# Altium PCB uz_per_voltage_measurement.PcbDoc (part 1 of 2)
Units mm, origin at the board's own origin, x right, y up, seen from the top; angles counter-clockwise.
Board outline 160 x 100 mm, 4 copper layers (Top Layer, GND, VCC+, 2V5_OCM), stack 1.744 mm thick; 257 components, 128 nets, 629 pads, 223 vias.
Unrouted connection lines stored in the file: 1.
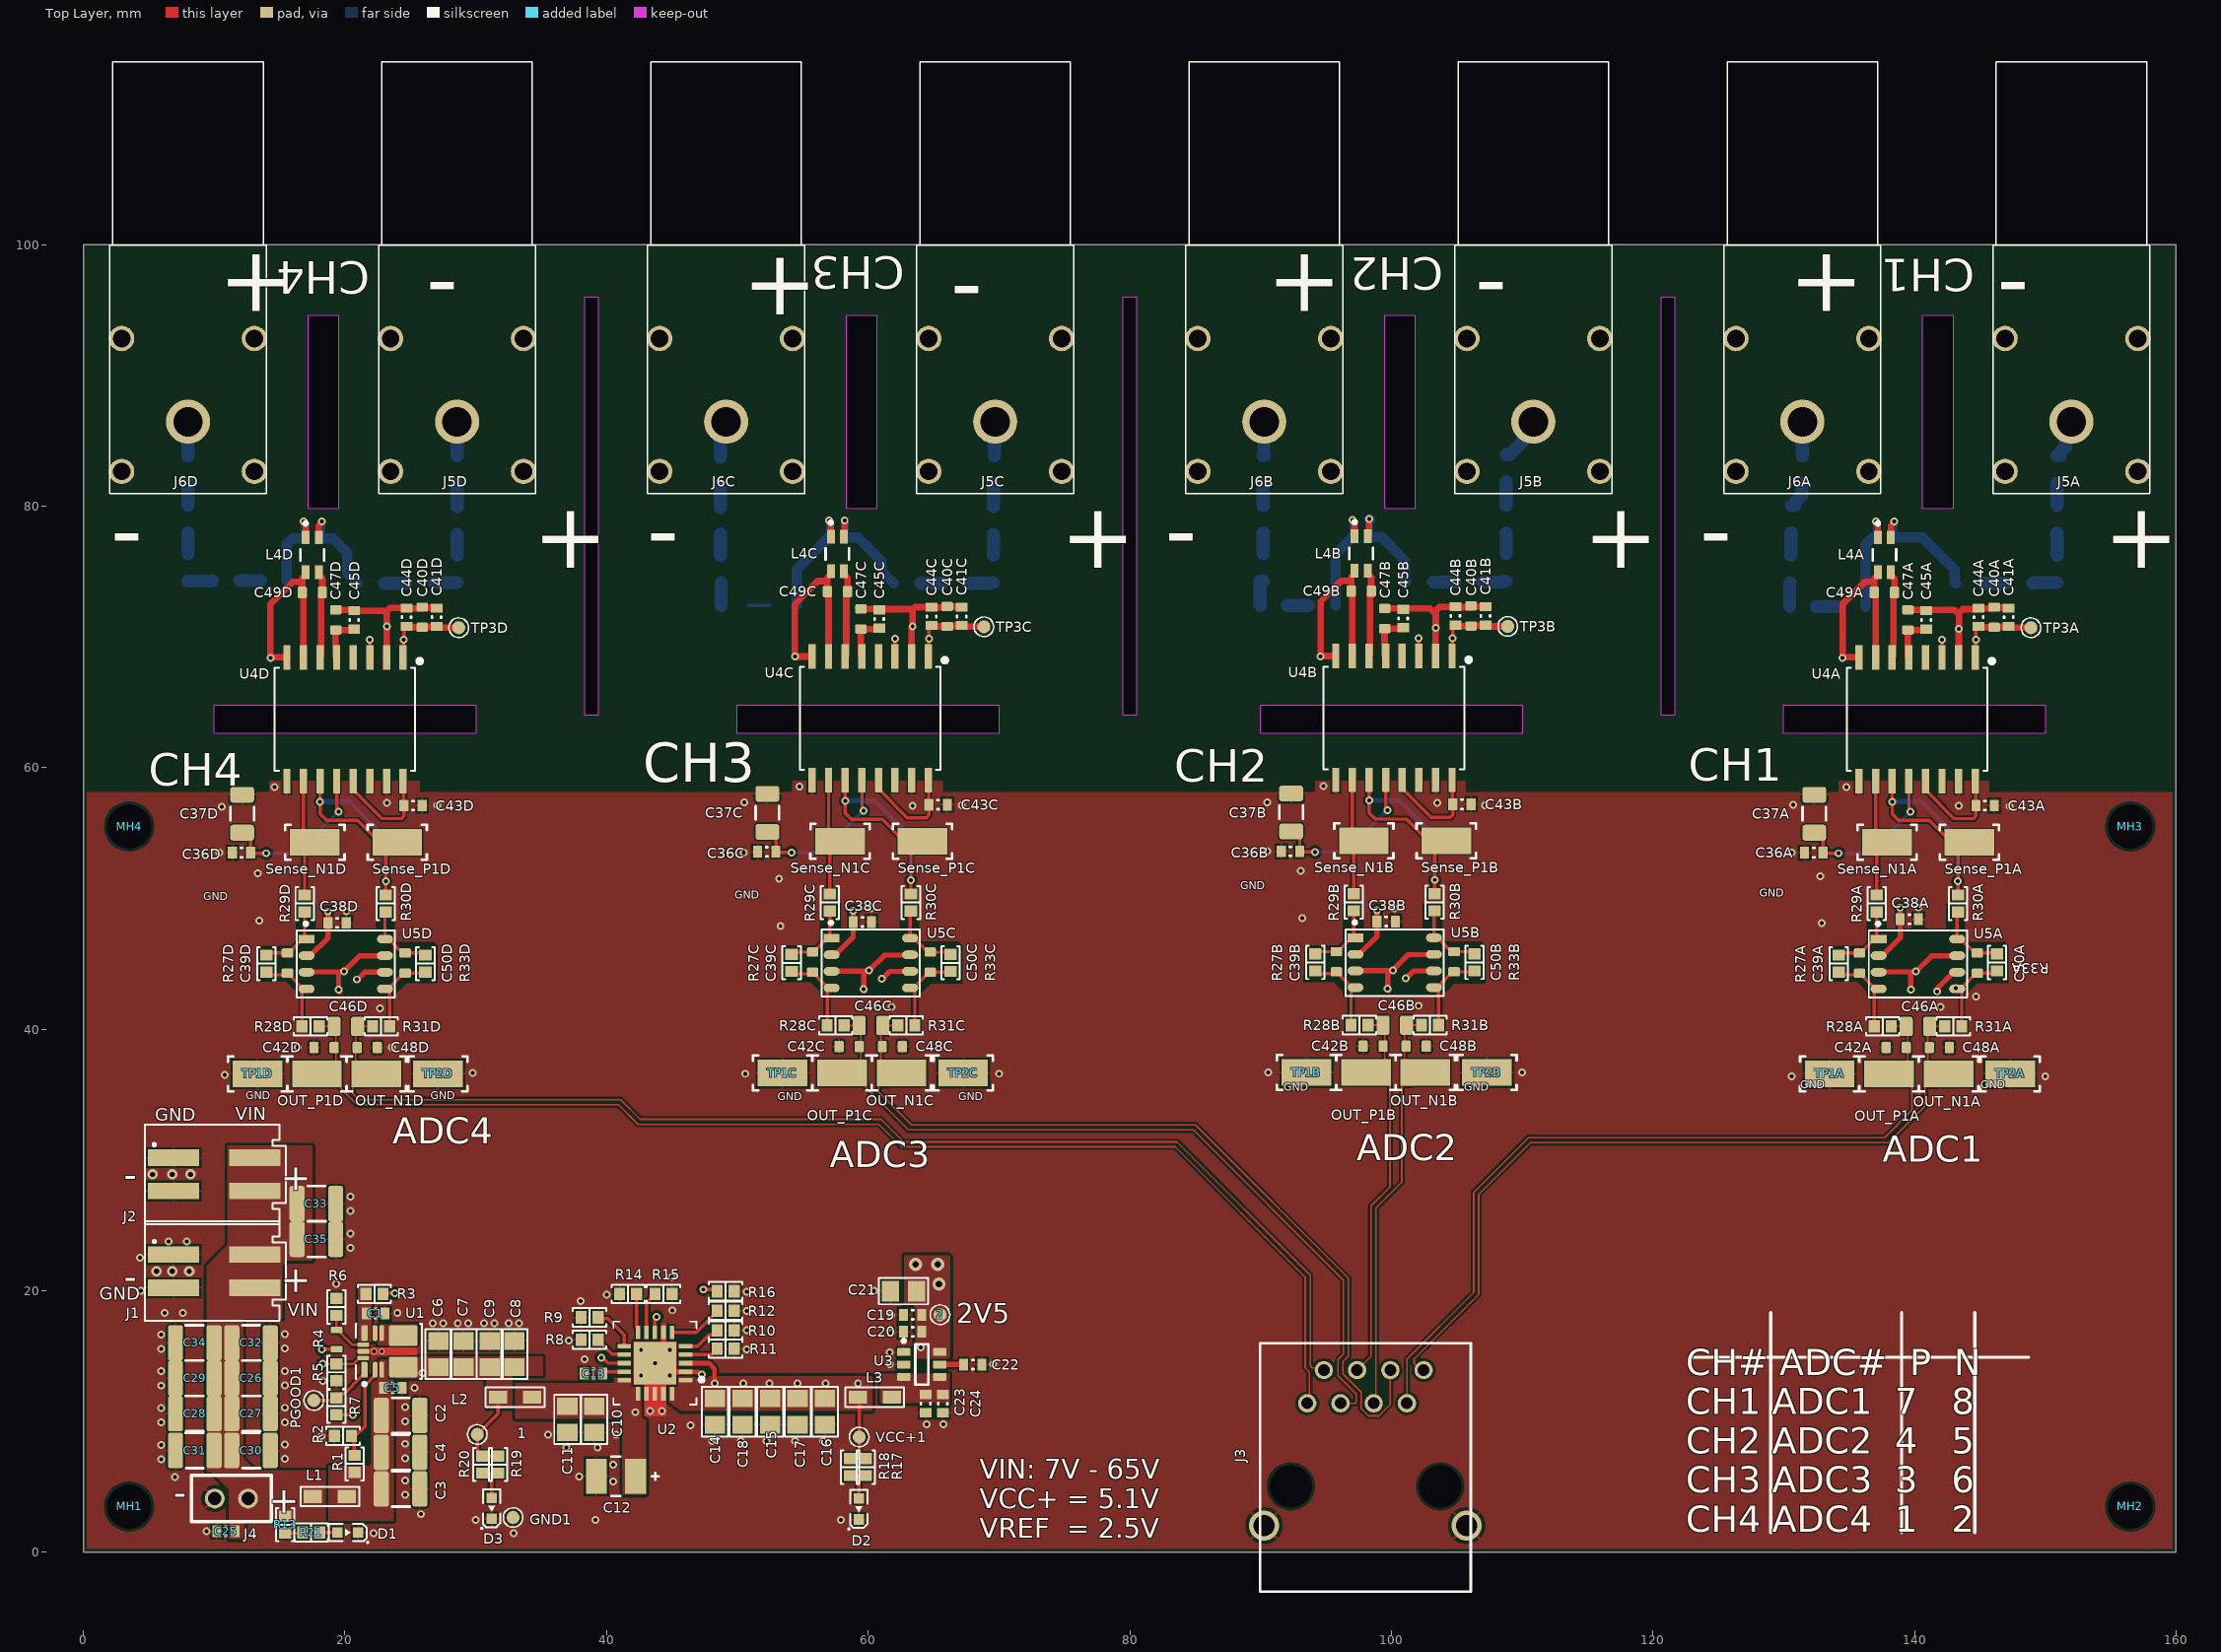
[diagram p0: Top Layer view]
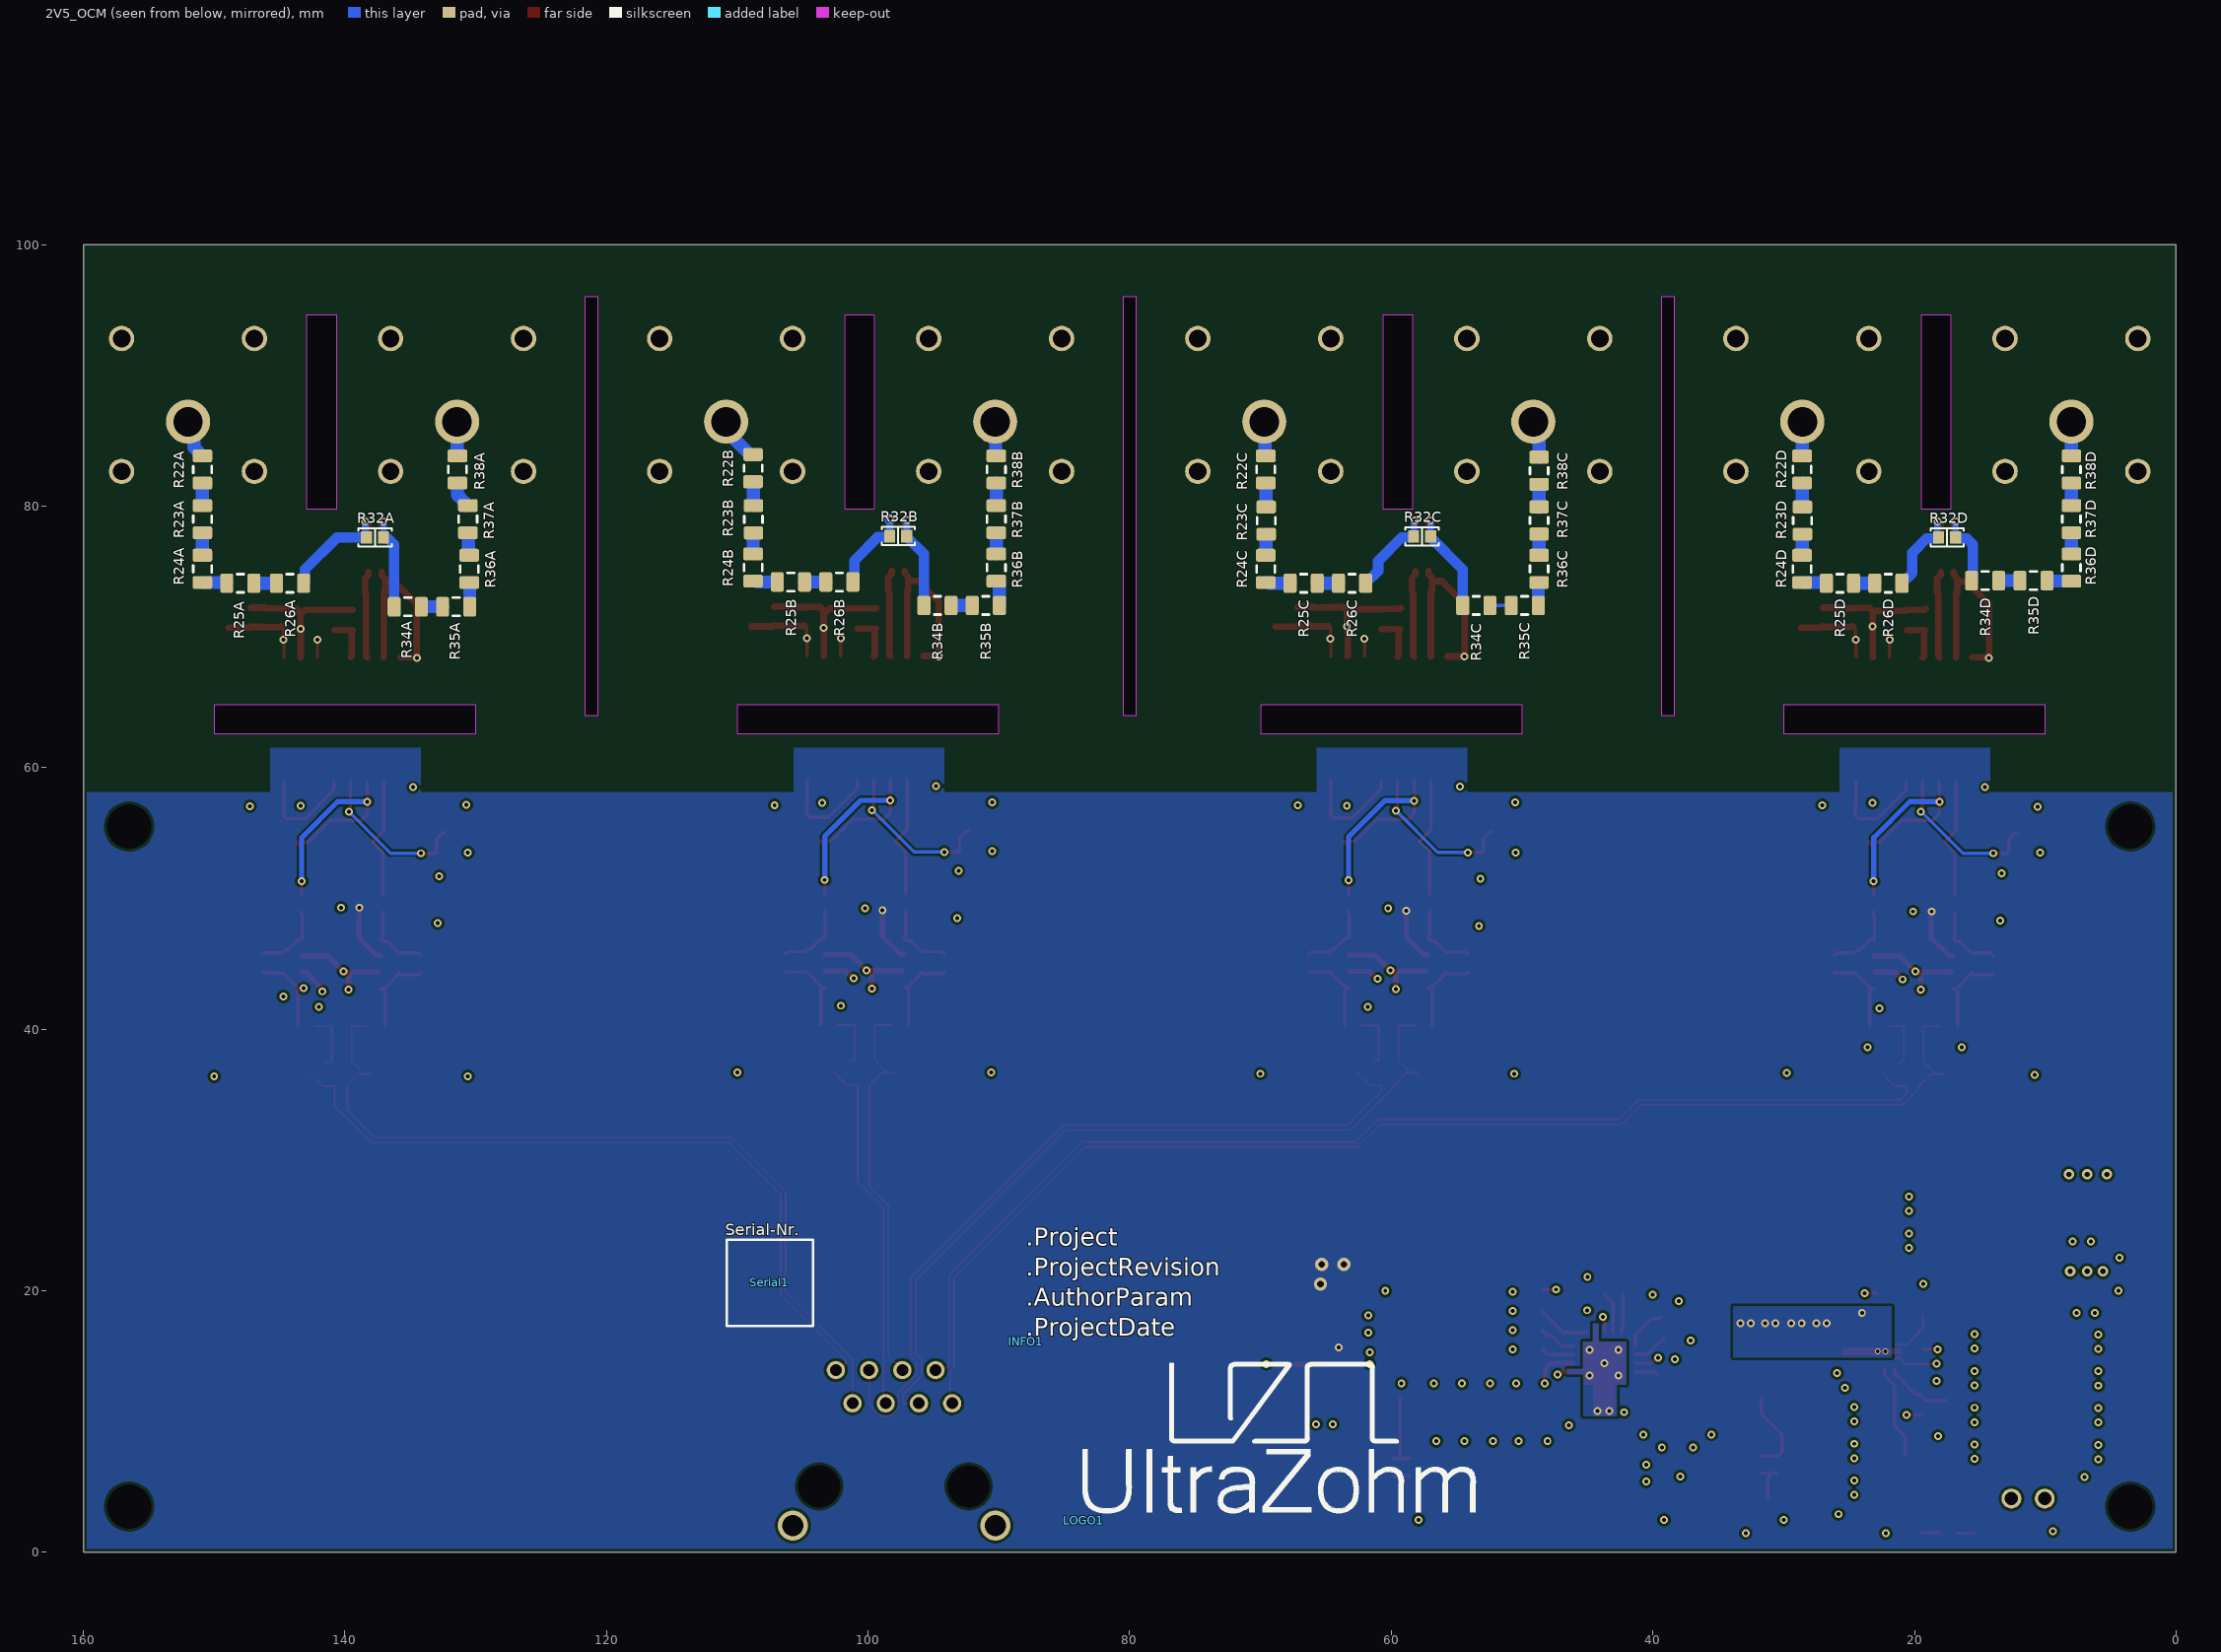
[diagram p1: 2V5_OCM view, seen from below]
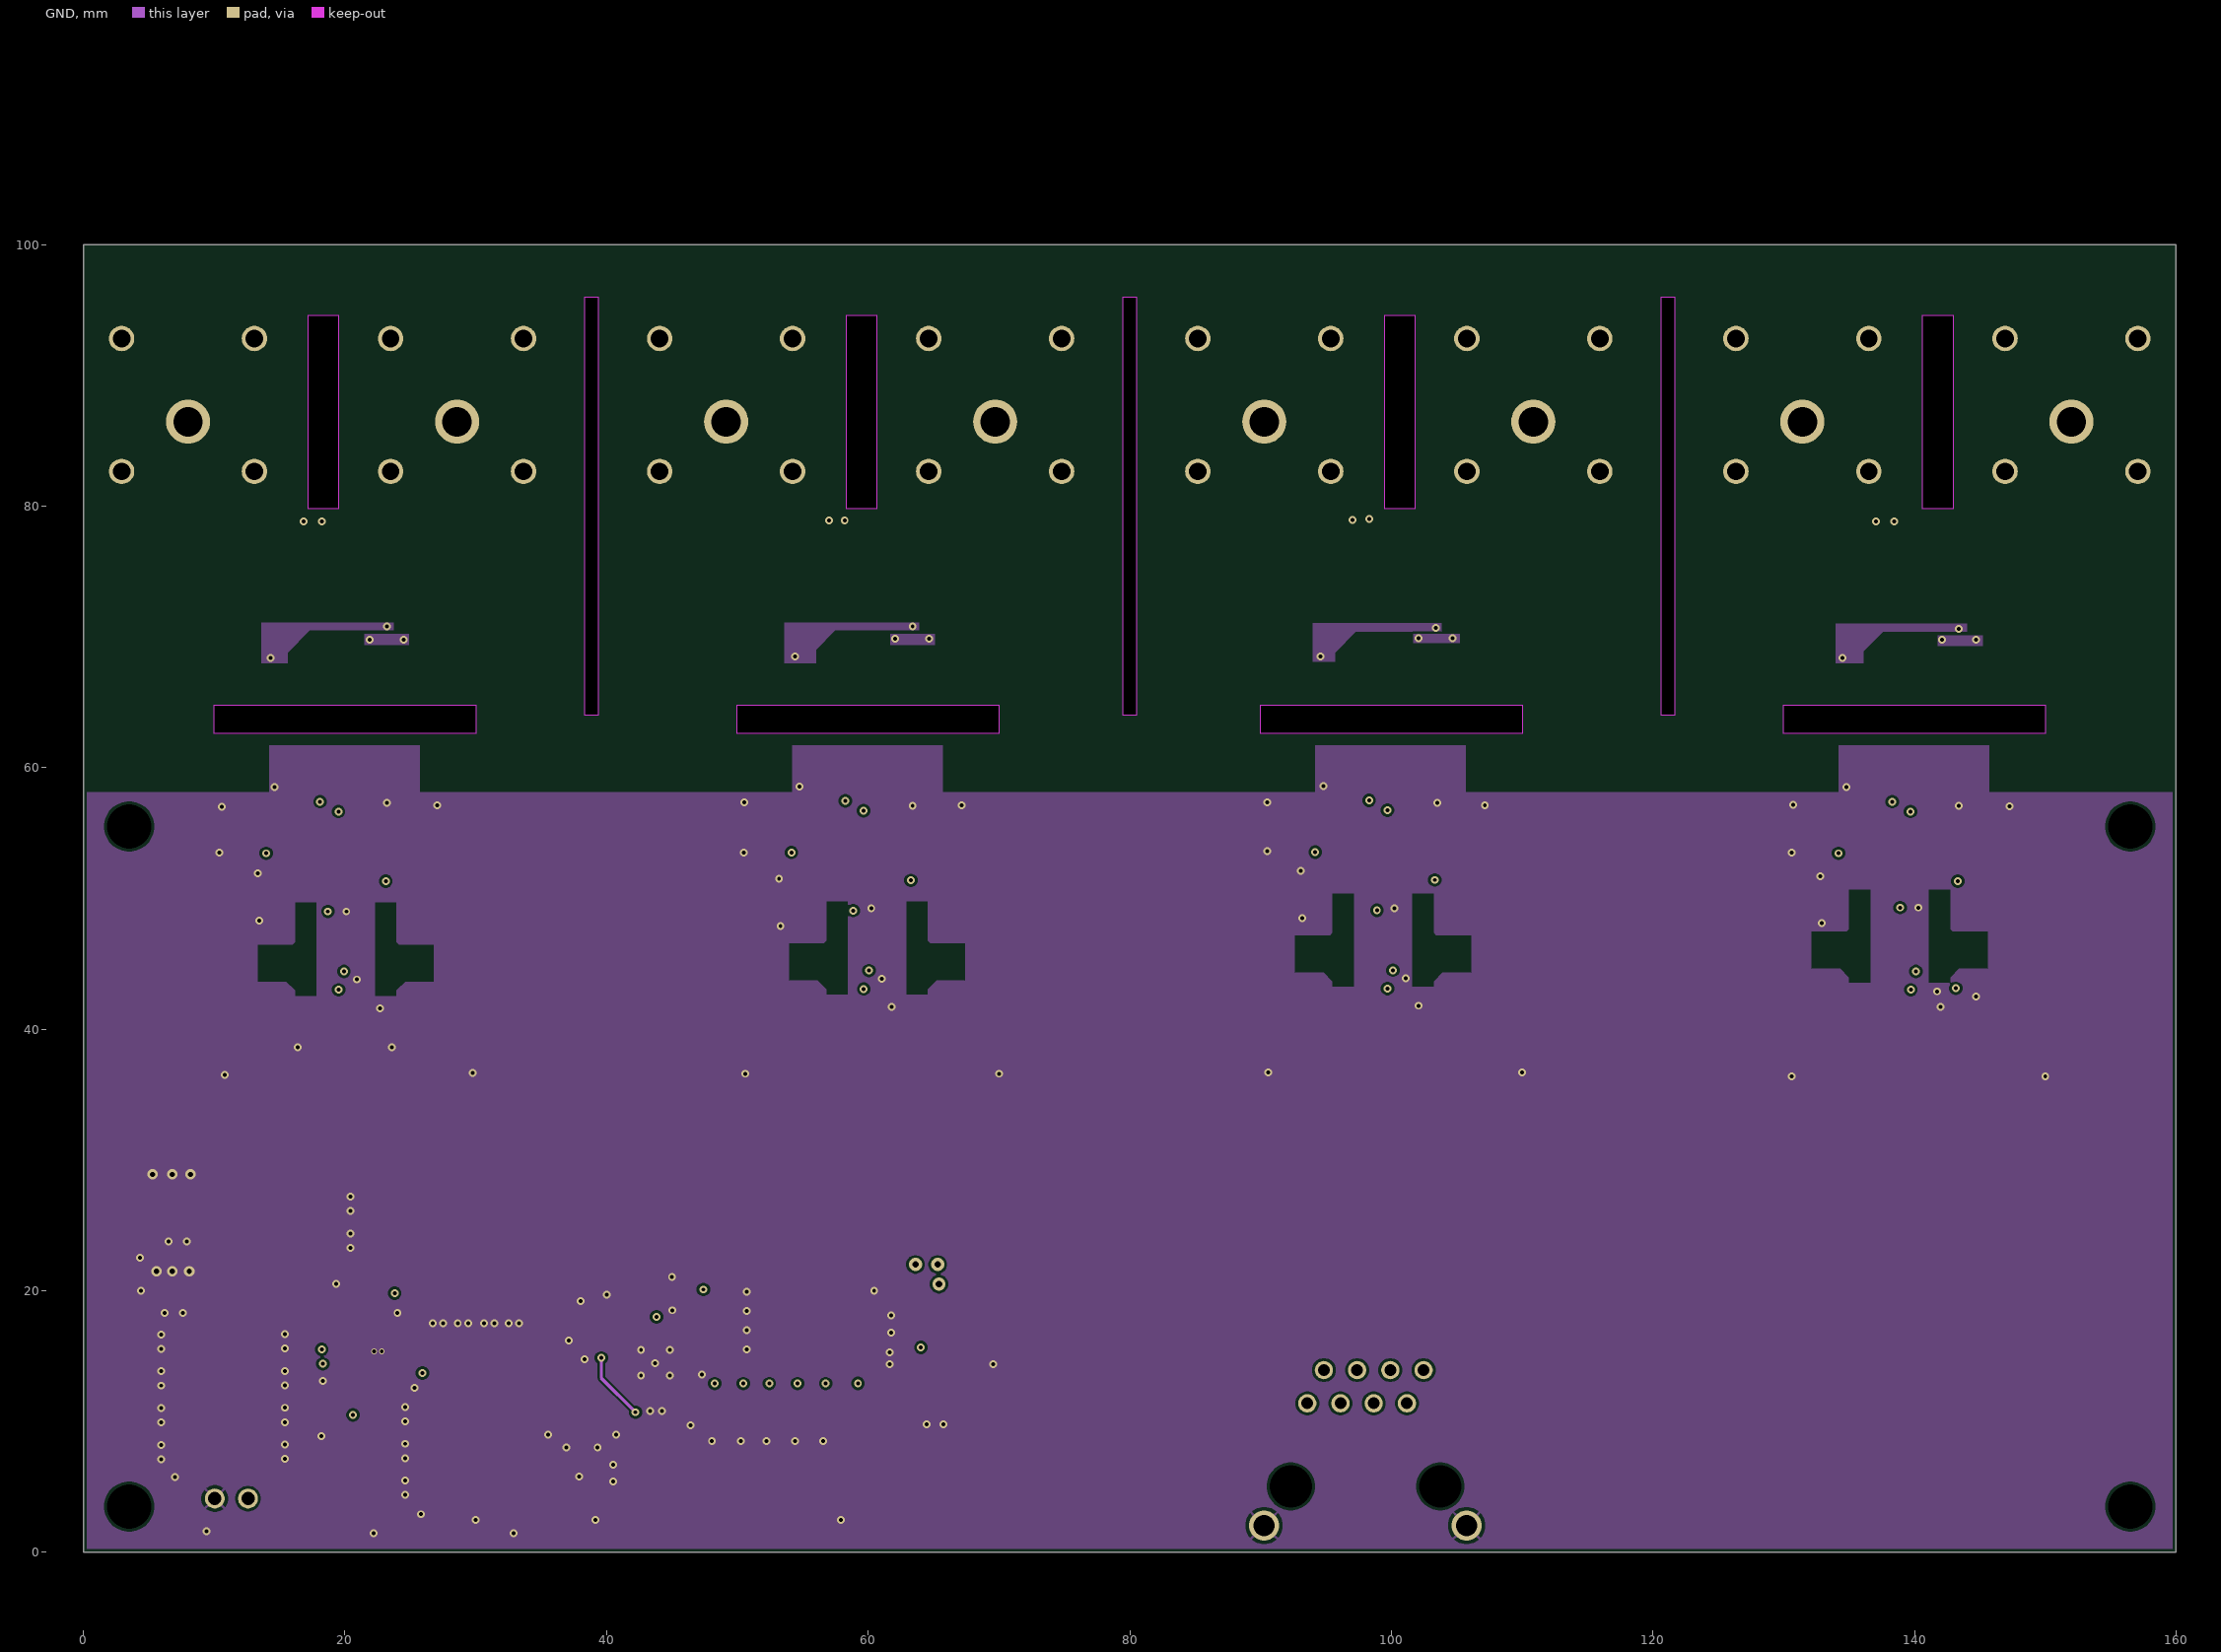
[diagram p2: GND]
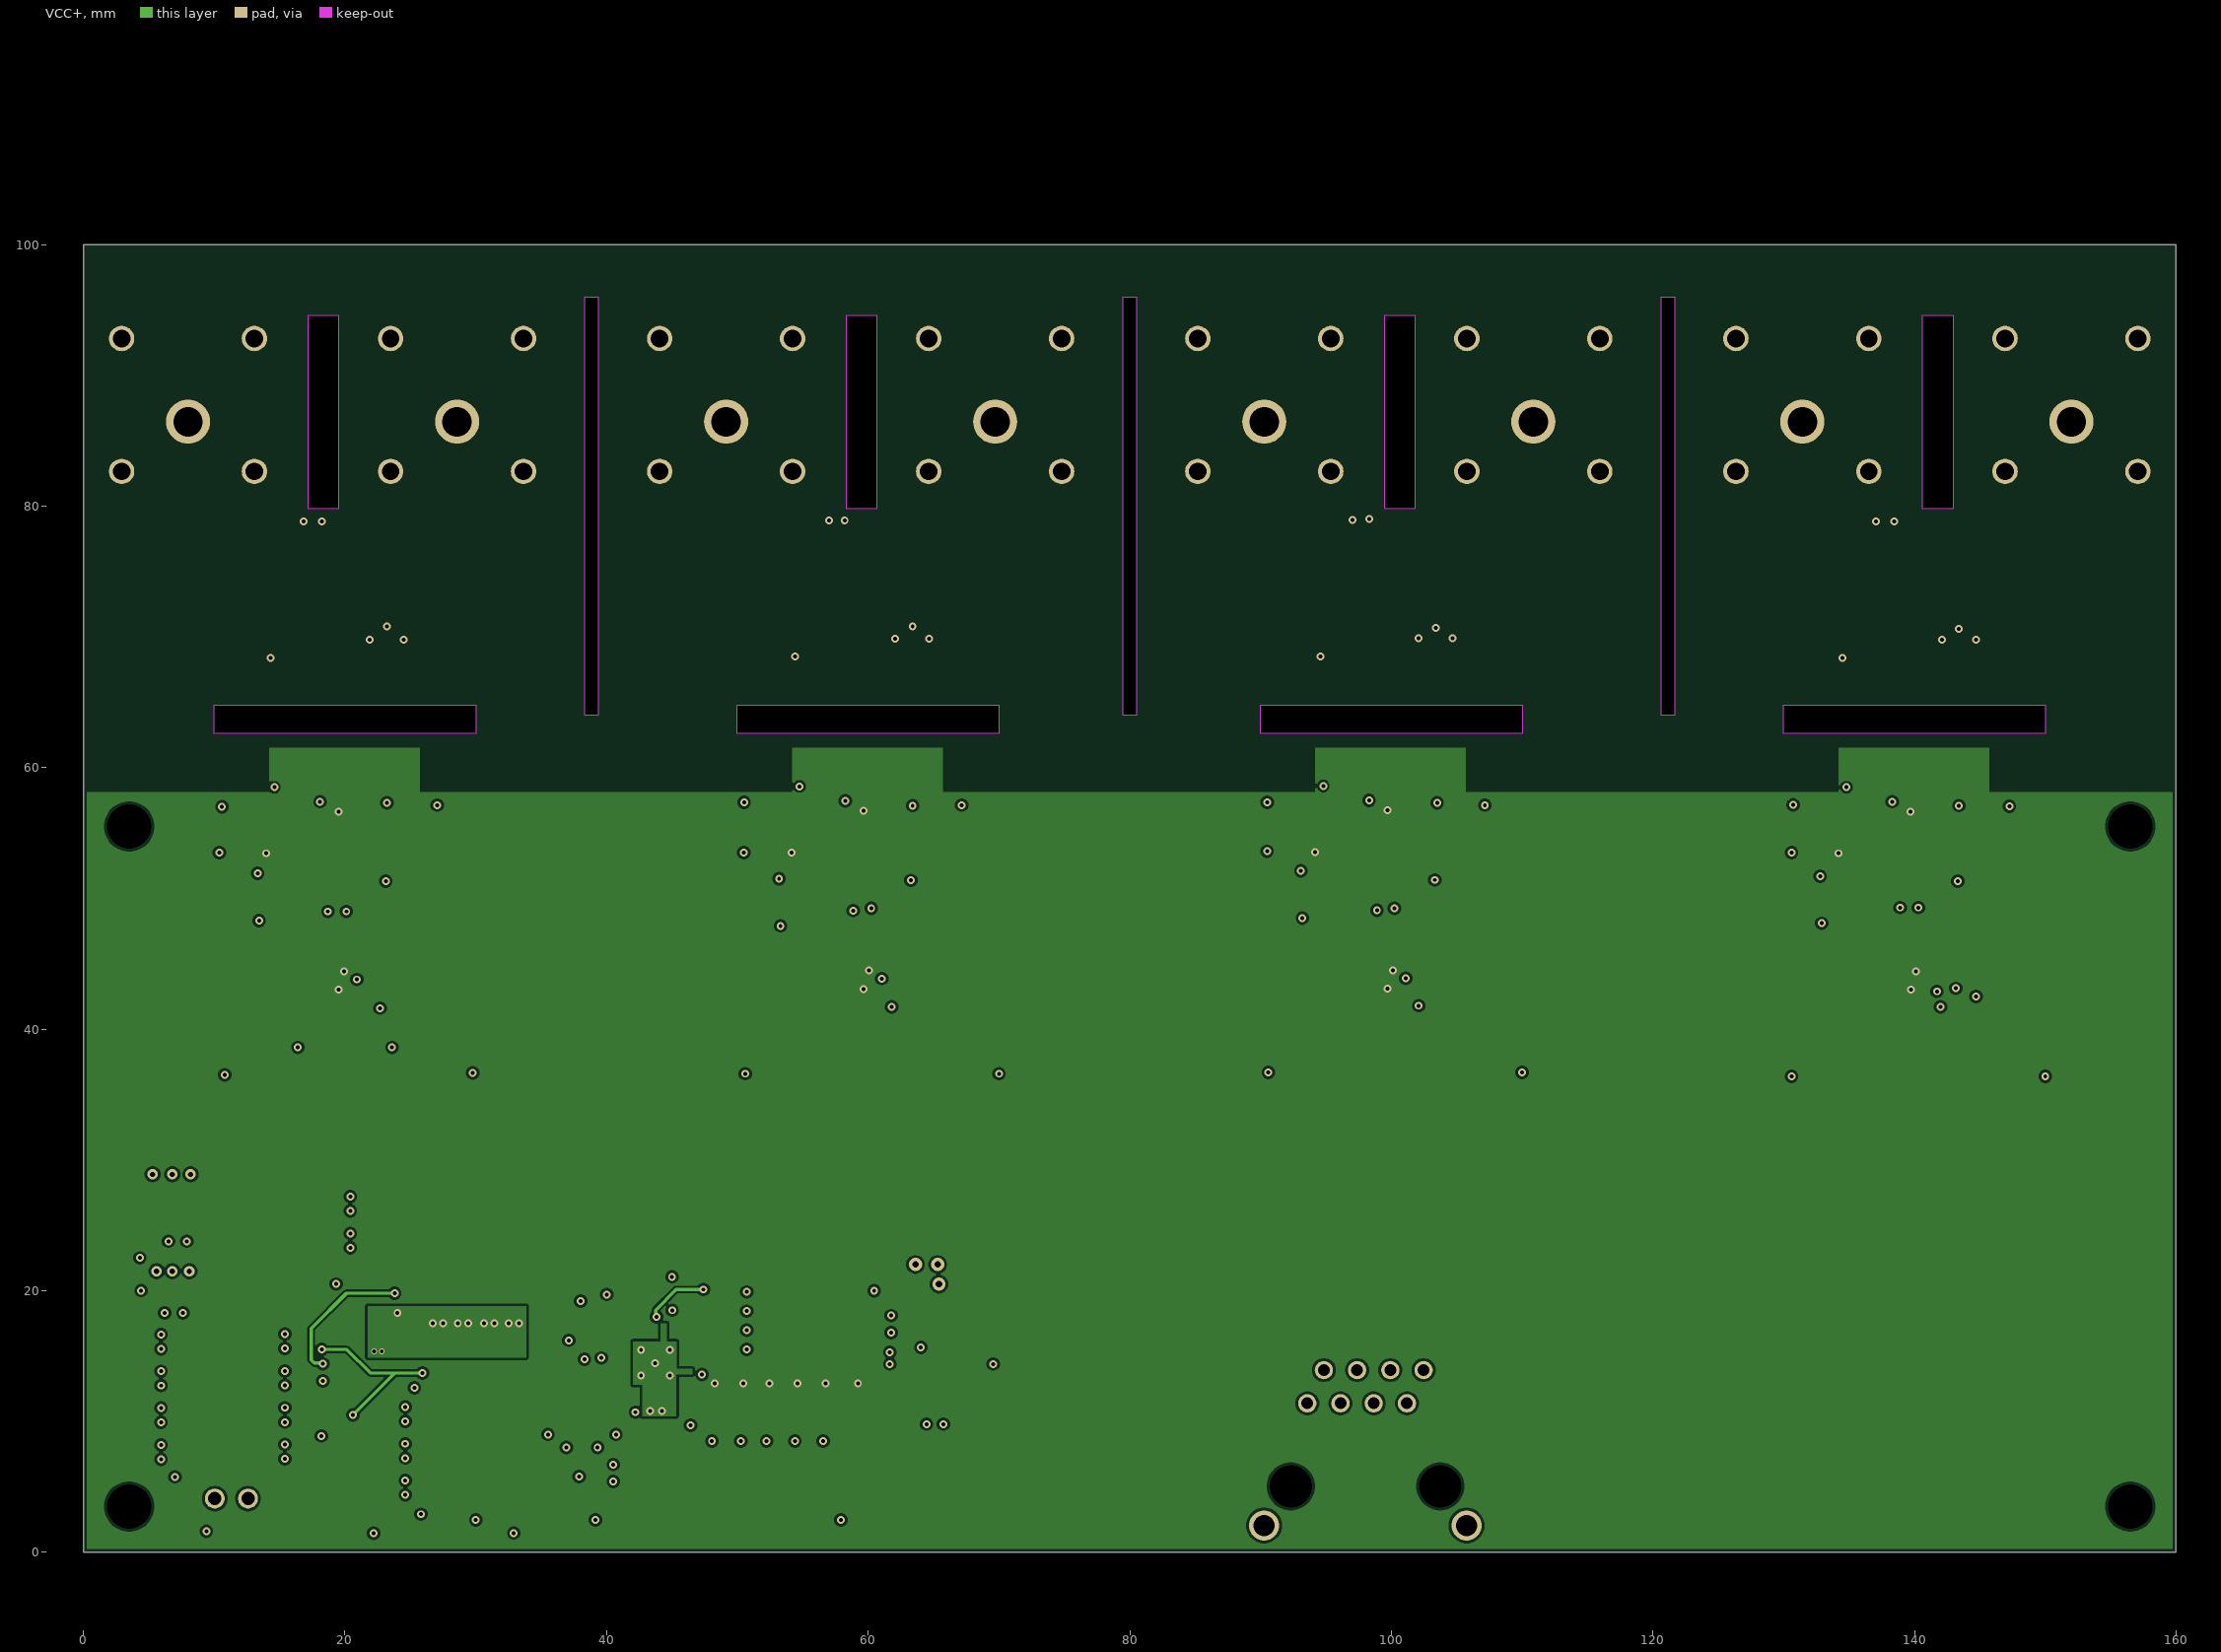
[diagram p3: VCC+]

## Layer stack, top to bottom
Top Solder: solder mask 0.01, Solder Resist, Dk 3.5
Top Layer: signal copper 0.07
Dielectric 2: prepreg 0.0994, JLC3313, Dk 4.05
GND: signal copper 0.07
Core: core 1.265, FR4, Dk 4.6
VCC+: signal copper 0.07
Dielectric 4: prepreg 0.0994, JLC3313, Dk 4.05
2V5_OCM: signal copper 0.07
Bottom Solder: solder mask 0.01, Solder Resist, Dk 3.5

## Board outline
0,0 0,100 160,100 160,0
cut-out: 10,64.8 30,64.8 30,62.6 10,62.6
cut-out: 140.628,79.8 140.628,94.6 142.943,94.6 142.943,79.8
cut-out: 99.485,79.8 99.485,94.6 101.8,94.6 101.8,79.8
cut-out: 17.2,79.8 17.2,94.6 19.514,94.6 19.514,79.8
cut-out: 58.343,79.8 58.343,94.6 60.657,94.6 60.657,79.8
cut-out: 120.643,64 120.643,96 121.643,96 121.643,64
cut-out: 79.5,64 79.5,96 80.5,96 80.5,64
cut-out: 38.357,64 38.357,96 39.357,96 39.357,64
cut-out: 90,64.8 110,64.8 110,62.6 90,62.6
cut-out: 130,64.8 150,64.8 150,62.6 130,62.6
cut-out: 50,64.8 70,64.8 70,62.6 50,62.6

## Design rules (kind name [scope] priority, off if disabled: settings)
BoardOutlineClearance [All] p1: gap=0.254 ignorepadtopadclearanceinfootprint=FALSE except(0: Arc-SplitContinuation Track-SplitContinuation SMDPad-SplitContinuation THPad-SplitContinuation Via-SplitContinuation Fill-SplitContinuation Poly-SplitContinuation Region-SplitContinuation Text-SplitContinuation)
Clearance Clearance_Power [InNetClass('All Nets')] p1: gap=0.2 ignorepadtopadclearanceinfootprint=FALSE except(0.1: SMDPad-SMDPad SMDPad-Fill SMDPad-Poly SMDPad-Region; 0.127: SMDPad-THPad THPad-THPad; 0.15: Arc-SMDPad Arc-Fill Arc-Poly Arc-Region Track-SMDPad Track-Fill Track-Poly Track-Region; 0.254: Arc-Arc Arc-Track Arc-Via Arc-Text Track-Track Track-Via Track-Text)
DiffPairsRouting [All] p1: maxlimit=0.254 minlimit=0.127 mostfreqgap=0.254 toplayer_minwidth=0.127 toplayer_maxwidth=0.127 toplayer_prefwidth=0.127 midlayer1_minwidth=0.127 midlayer1_maxwidth=0.127 midlayer1_prefwidth=0.127 midlayer2_minwidth=0.127 midlayer2_maxwidth=0.127 midlayer2_prefwidth=0.127 bottomlayer_minwidth=0.127 bottomlayer_maxwidth=0.127 bottomlayer_prefwidth=0.127 maxuncoupledlength=12.7
Height [All] p1: minheight=0 maxheight=40 prefheight=12.7
PolygonConnect PolygonConnect_GND [InNet('GND')] p1: thpad.connectstyle=Relief thpad.reliefconductorwidth=0.2 thpad.reliefentries=4 thpad.polygonreliefangle="90 Angle" thpad.airgapwidth=0.254 thpad.conductorbypadedge=TRUE thpad.mindistance=0.381 thpad.enablemindistance=FALSE smdpad.connectstyle=Relief smdpad.reliefconductorwidth=0.15 smdpad.reliefentries=4 smdpad.polygonreliefangle="90 Angle" smdpad.airgapwidth=0.15 via.connectstyle=Direct via.reliefconductorwidth=0.254 via.reliefentries=4 via.polygonreliefangle="90 Angle" via.airgapwidth=0.254
PolygonConnect PolygonConnect_VCC [InNet('VCC+')] p2: thpad.connectstyle=Relief thpad.reliefconductorwidth=0.2 thpad.reliefentries=4 thpad.polygonreliefangle="90 Angle" thpad.airgapwidth=0.254 thpad.conductorbypadedge=TRUE thpad.mindistance=0.381 thpad.enablemindistance=FALSE smdpad.connectstyle=Direct smdpad.reliefconductorwidth=0.15 smdpad.reliefentries=4 smdpad.polygonreliefangle="90 Angle" smdpad.airgapwidth=0.15 via.connectstyle=Direct via.reliefconductorwidth=0.254 via.reliefentries=4 via.polygonreliefangle="90 Angle" via.airgapwidth=0.254
PolygonConnect [All] p3: connectstyle=Direct reliefconductorwidth=0.254 reliefentries=4 polygonreliefangle="90 Angle" airgapwidth=0.254
RoomDefinition Measurement_4 [InComponentClass('Measurement_4')] p1: confinementstyle=ConfineIn formatcopy=TRUE lockcomponents=FALSE outline 3.817,33.911 36.017,33.911 36.017,95.945 3.817,95.945
RoomDefinition Measurement_2 [InComponentClass('Measurement_2')] p2: confinementstyle=ConfineIn formatcopy=TRUE lockcomponents=FALSE outline 84.017,34.011 116.217,34.011 116.217,96.045 84.017,96.045
RoomDefinition Measurement_3 [InComponentClass('Measurement_3')] p3: confinementstyle=ConfineIn formatcopy=TRUE lockcomponents=FALSE outline 43.967,33.979 76.167,33.979 76.167,96.013 43.967,96.013
RoomDefinition Measurement_1 [InComponentClass('Measurement_1')] p4: confinementstyle=ConfineIn formatcopy=TRUE lockcomponents=FALSE outline 124.017,33.911 156.217,33.911 156.217,95.945 124.017,95.945
RoomDefinition power_supply [InComponentClass('power_supply')] p5: confinementstyle=ConfineIn formatcopy=TRUE lockcomponents=FALSE outline 2.717,0.011 70.017,0.011 70.017,28.211 2.717,28.211
RoutingVias [All] p1: holewidth=0 width=0 viastyle="Through Hole" minholewidth=0 minwidth=0 maxholewidth=0.711 maxwidth=1.27
SolderMaskExpansion [All] p1: expansion=0.102 istentingtop=FALSE
SupplyNets "Schematic Supply Nets_6" [InNet('6.1V')] p1: voltage=0.000
SupplyNets "Schematic Supply Nets_4" [InNet('2V5_OCM')] p2: voltage=0.000
SupplyNets "Schematic Supply Nets_3" [InNet('VIN')] p3: voltage=0.000
SupplyNets "Schematic Supply Nets_2" [InNet('VCC+')] p4: voltage=0.000
SupplyNets "Schematic Supply Nets_1" [InNet('GND')] p5: voltage=0.000
UnRoutedNet [All] p1: checkbadconnections=TRUE
Width [All] p1: maxlimit=10 minlimit=0.16 preferedwidth=0.254 midlayer1_maxwidth=0.254 midlayer2_maxwidth=0.254 minimp=50.000000 maximp=50.000000 favimp=50.000000
27 further rules are at their usual default settings.
